# Altium PCB GVI_Z7_Carrier.PCBDOC
Units mil, origin at the board's own origin, x right, y up, seen from the top; angles counter-clockwise.
Board outline 4248.06 x 4203.77 mil, 2 copper layers (TopLayer, BottomLayer); 1 components, 403 nets, 646 pads, 0 vias.
Unrouted connection lines stored in the file: 220.
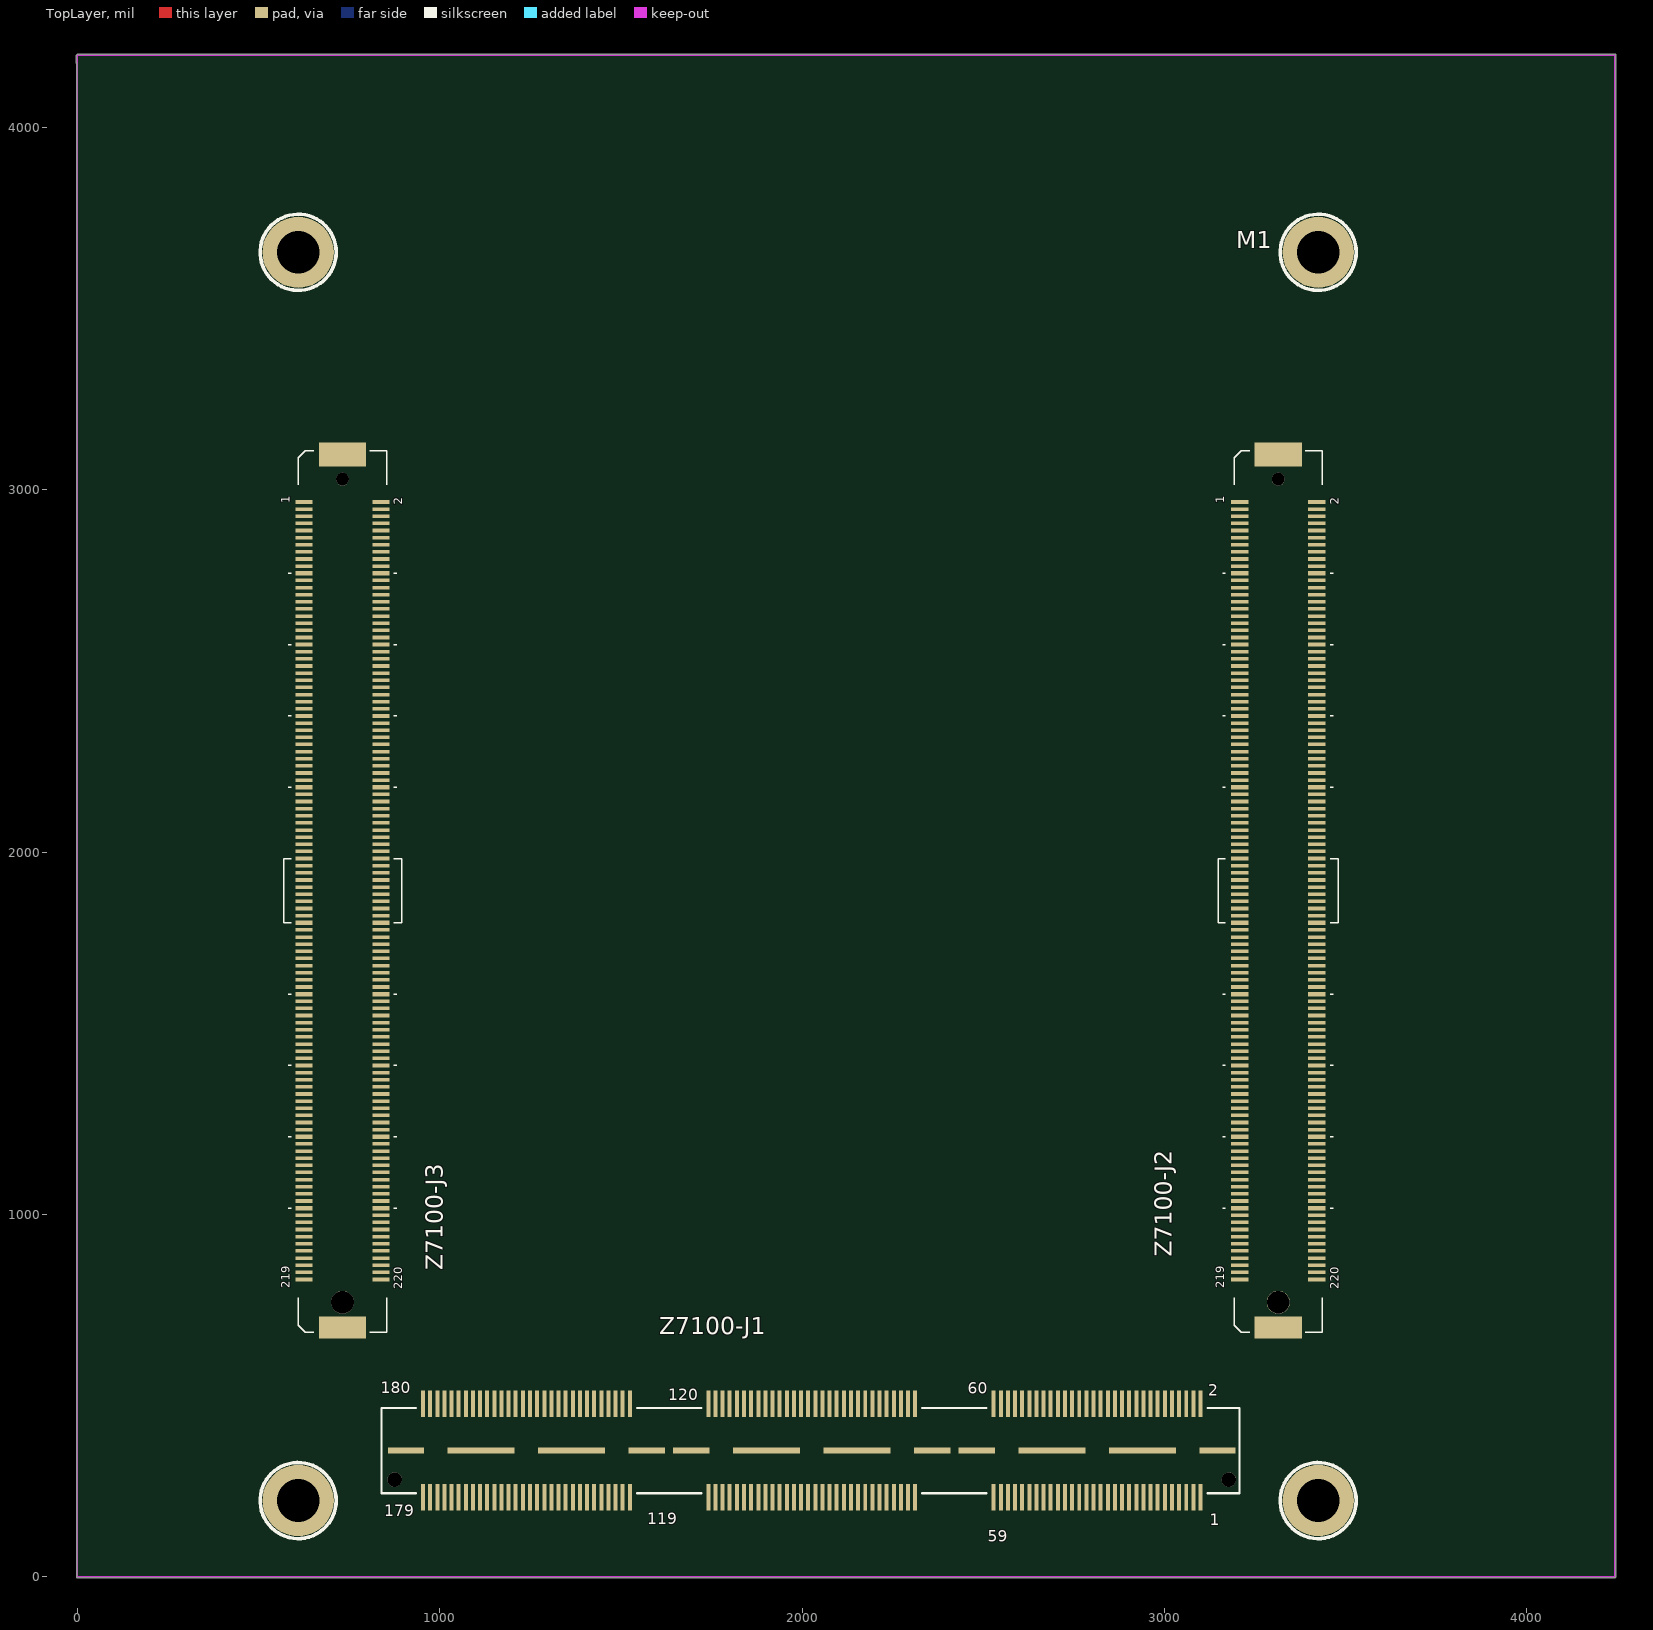
[diagram p0: TopLayer view]
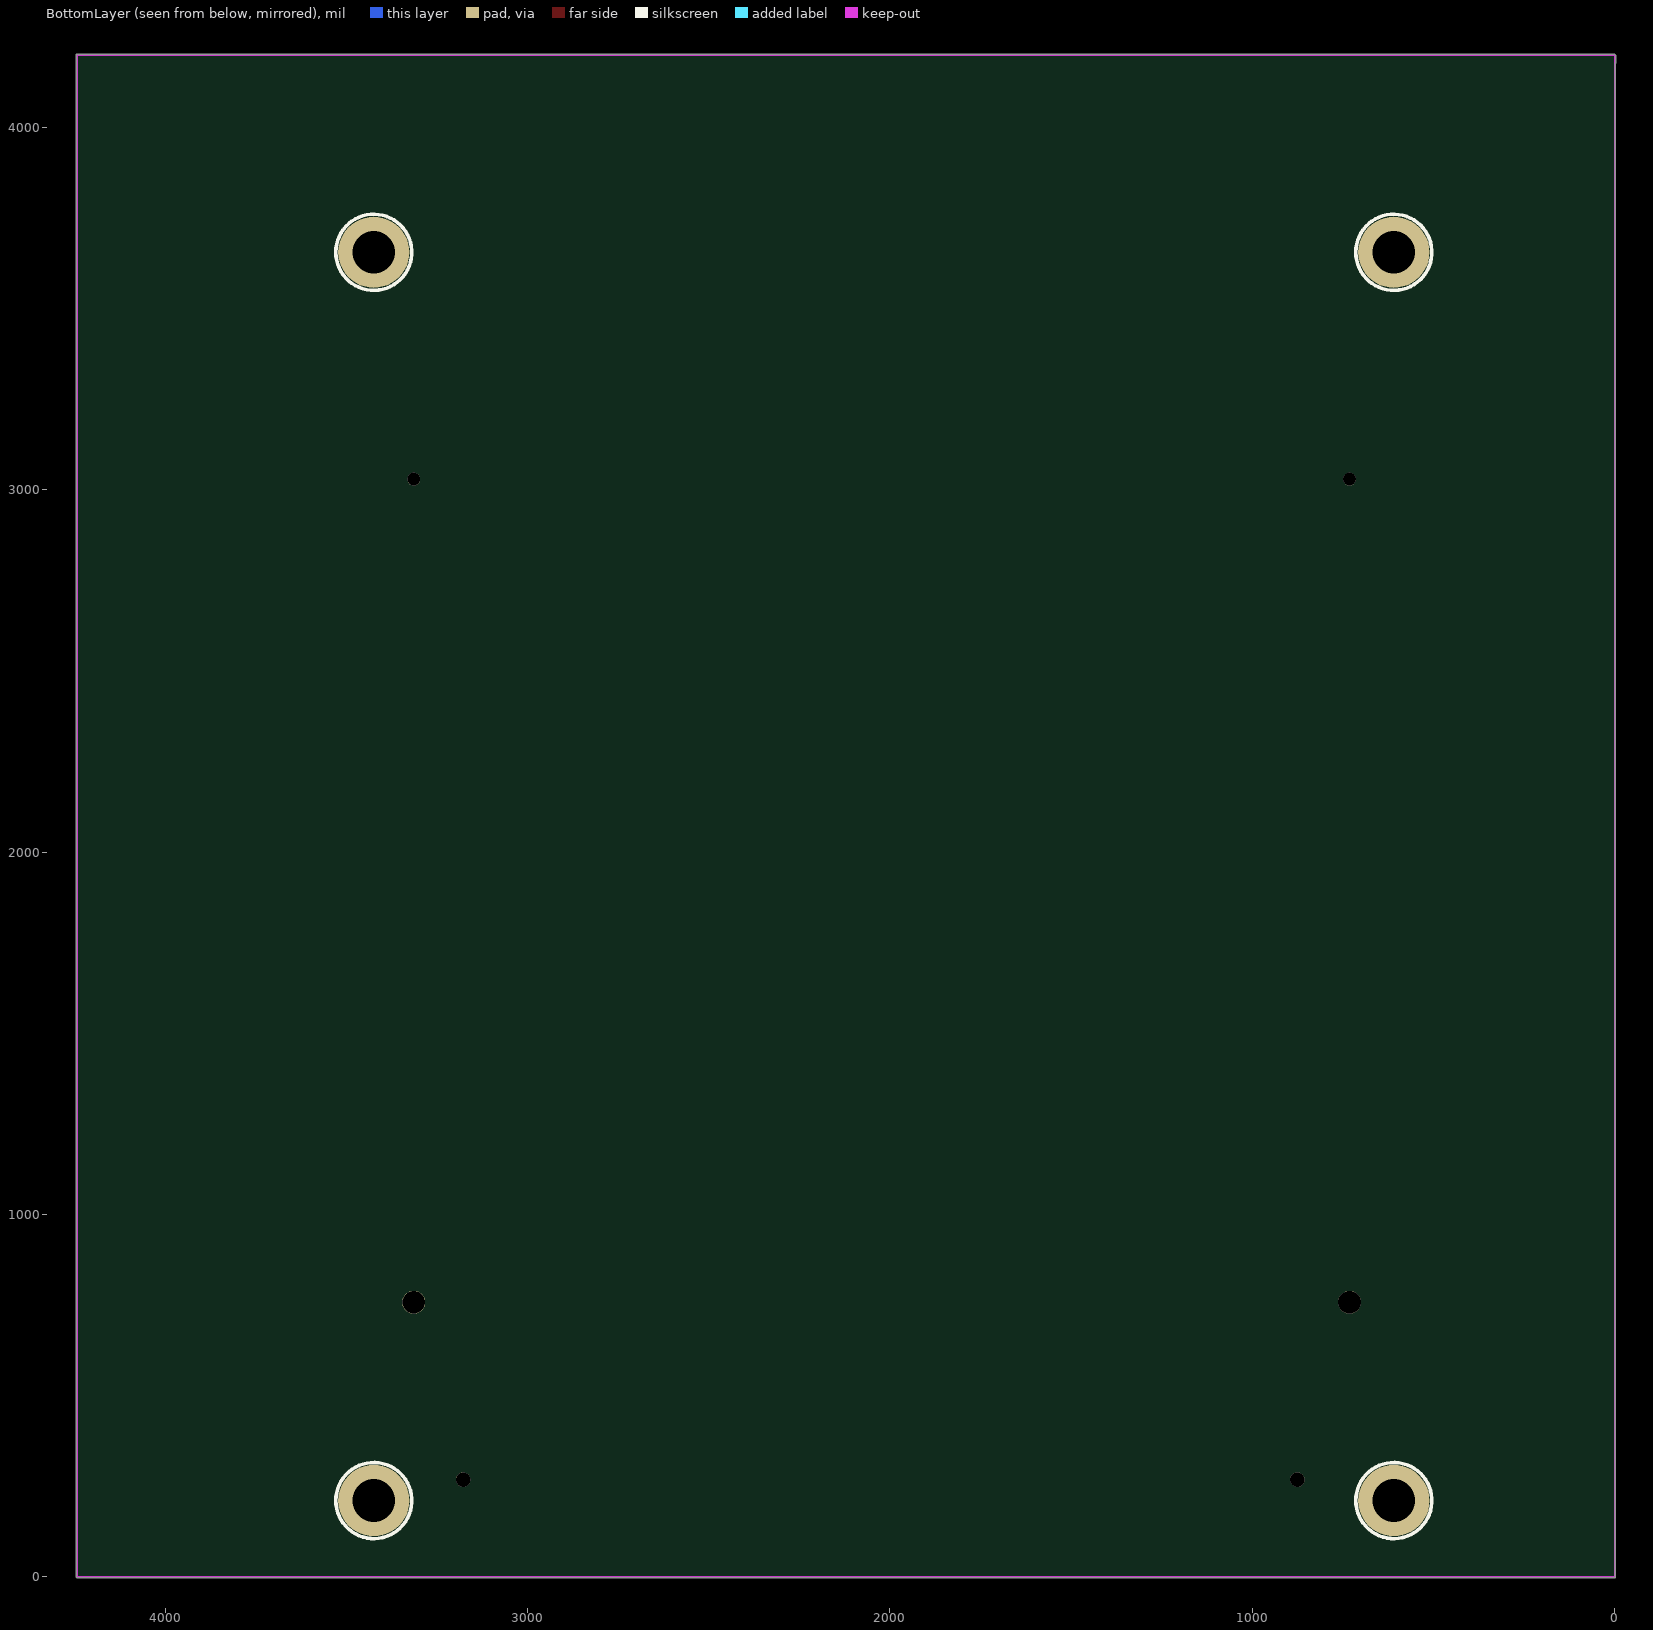
[diagram p1: BottomLayer view, seen from below]

## Layer stack, top to bottom
TopSolder: solder mask 0.4, Solder Resist, Dk 3.5
TopLayer: signal copper 0.7
Dielectric1: core 12.598, FR-4, Dk 4.8
BottomLayer: signal copper 0.7
BottomSolder: solder mask 0.4, Solder Resist, Dk 3.5

## Board outline
-2.38,4177.72 cw(c-0.98,4179.13) -2.97,4179.13 -2.97,4197.83 cw(c-0.98,4197.83) -2.38,4199.25 -2.39,4199.24 -0.42,4201.21 -0.43,4201.19 cw(c0.98,4199.8) 0.98,4201.79 4243.11,4201.79 cw(c4243.11,4199.8) 4245.09,4199.8 4245.09,0 cw(c4243.11,0) 4243.11,-1.98 0,-1.98 cw(c0,0) -1.98,0 -1.98,4177.33

## Design rules (kind name [scope] priority, off if disabled: settings)
Clearance [All] p1: gap=6.02
ComponentClearance [All] p1: gap=0 collisioncheckmode=3 verticalgap=0 showdistances=FALSE
DiffPairsRouting [All] p1: maxlimit=15 minlimit=6.02 mostfreqgap=7.87 toplayer_minwidth=6.02 toplayer_maxwidth=15 toplayer_prefwidth=7.87 bottomlayer_minwidth=6.02 bottomlayer_maxwidth=15 bottomlayer_prefwidth=7.87 maxuncoupledlength=500
FabricationTestPointUsage TestPointUsage [All] p1: valid=0 allowmultiple=FALSE
FabricationTestpoint Testpoint [(IsPad And (OnTopLayer Or OnBottomLayer))] p1: side=3 testpointundercomponent=TRUE minsize=40 maxsize=100 preferedsize=60 minholesize=20 maxholesize=40 preferedholesize=32 testpointgrid=1 allowsidetop=TRUE allowsidebottom=TRUE usegrid=TRUE gridtolerance=0.01
Height "PCI Express, Page 84, \"Component Height Constraints\" for solder side" [OnBottomLayer] p1: minheight=0 maxheight=105.12 prefheight=105.12
Height "PCI Express, Page 84, \"Component Height Constraints\" for component side" [OnTopLayer] p2: minheight=0 maxheight=569.68 prefheight=569.68
HoleSize [All] p1: absolutevalues=TRUE maxlimit=393.7 minlimit=11.81 maxpercent=80.000 minpercent=20.000
HoleToHoleClearance [All] p1: gap=11.81 allowstackedmicrovias=TRUE
MinimumSolderMaskSliver [All] p1: minsoldermaskwidth=0
PlaneClearance [All] p1: clearance=0
PlaneConnect [All] p1: planeconnectstyle=Direct reliefexpansion=20 reliefentries=4 reliefconductorwidth=10 reliefairgap=10
PolygonConnect [All] p1: connectstyle=Direct reliefconductorwidth=10 reliefentries=4 polygonreliefangle="90 Angle" airgapwidth=10
RoutingVias [All] p1: holewidth=11.81 width=23.62 viastyle="Through Hole" minholewidth=11.81 minwidth=23.62 maxholewidth=78.74 maxwidth=196.85
SilkToSilkClearance [All] p1: silktosilkclearance=0
SilkToSolderMaskClearance SilkscreenOverComponentPads [IsPad] p1: minsilkscreentomaskgap=0 clearancetoexposedcopper=TRUE
SolderMaskExpansion [All] p1: expansion=0
Width [All] p1: maxlimit=196.85 minlimit=6.02 preferedwidth=6.02 minimp=50.000000 maximp=50.000000 favimp=50.000000
18 further rules are at their usual default settings.

## Classes and differential pairs
differential pair MGT112_REFCLK1: +MGT112_REFCLK1_P -MGT112_REFCLK1_N

## Components (designator, comment, footprint, x,y, rotation, side; value= is the part's Value field where it differs from the comment)
M1 "CX7Z100" GVI_Z7_MINIMODULE_SOCKET 3699.8,210.63 r90 top locked

## Footprints (in the part's own frame and the unit in brackets; to place one, negate y for a bottom-side part, rotate by r counter-clockwise, add the part's x,y. Pads: shape width x height; smd on the part's side, far side on the other; paste and mask are expansions set on the pad)
GVI_Z7_MINIMODULE_SOCKET [mm]
  rect 1.85x0.279 smd: 1(0.22,15.25) 2(6.78,15.25) 3(0.22,15.75) 4(6.78,15.75) 5(0.22,16.25) 6(6.78,16.25) 7(0.22,16.75) 8(6.78,16.75) 9(0.22,17.25) 10(6.78,17.25) 11(0.22,17.75) 12(6.78,17.75) 13(0.22,18.25) 14(6.78,18.25) 15(0.22,18.75) 16(6.78,18.75) 17(0.22,19.25) 18(6.78,19.25) 19(0.22,19.75) 20(6.78,19.75) 21(0.22,20.25) 22(6.78,20.25) 23(0.22,20.75) 24(6.78,20.75) 25(0.22,21.25) 26(6.78,21.25) 27(0.22,21.75) 28(6.78,21.75) 29(0.22,22.25) 30(6.78,22.25) 31(0.22,22.75) 32(6.78,22.75) 33(0.22,23.25) 34(6.78,23.25) 35(0.22,23.75) 36(6.78,23.75) 37(0.22,24.25) 38(6.78,24.25) 39(0.22,24.75) 40(6.78,24.75) 41(0.22,25.25) 42(6.78,25.25) 43(0.22,25.75) 44(6.78,25.75) 45(0.22,26.25) 46(6.78,26.25) 47(0.22,26.75) 48(6.78,26.75) 49(0.22,27.25) 50(6.78,27.25) 51(0.22,27.75) 52(6.78,27.75) 53(0.22,28.25) 54(6.78,28.25) 55(0.22,28.75) 56(6.78,28.75) 57(0.22,29.25) 58(6.78,29.25) 59(0.22,29.75) 60(6.78,29.75) 61(0.22,35.25) 62(6.78,35.25) 63(0.22,35.75) 64(6.78,35.75) 65(0.22,36.25) 66(6.78,36.25) 67(0.22,36.75) 68(6.78,36.75) 69(0.22,37.25) 70(6.78,37.25) 71(0.22,37.75) 72(6.78,37.75) 73(0.22,38.25) 74(6.78,38.25) 75(0.22,38.75) 76(6.78,38.75) 77(0.22,39.25) 78(6.78,39.25) 79(0.22,39.75) 80(6.78,39.75) 81(0.22,40.25) 82(6.78,40.25) 83(0.22,40.75) 84(6.78,40.75) 85(0.22,41.25) 86(6.78,41.25) 87(0.22,41.75) 88(6.78,41.75) 89(0.22,42.25) 90(6.78,42.25) 91(0.22,42.75) 92(6.78,42.75) 93(0.22,43.25) 94(6.78,43.25) 95(0.22,43.75) 96(6.78,43.75) 97(0.22,44.25) 98(6.78,44.25) 99(0.22,44.75) 100(6.78,44.75) 101(0.22,45.25) 102(6.78,45.25) 103(0.22,45.75) 104(6.78,45.75) 105(0.22,46.25) 106(6.78,46.25) 107(0.22,46.75) 108(6.78,46.75) 109(0.22,47.25) 110(6.78,47.25) 111(0.22,47.75) 112(6.78,47.75) 113(0.22,48.25) 114(6.78,48.25) 115(0.22,48.75) 116(6.78,48.75) 117(0.22,49.25) 118(6.78,49.25) 119(0.22,49.75) 120(6.78,49.75) 121(0.22,55.25) 122(6.78,55.25) 123(0.22,55.75) 124(6.78,55.75) 125(0.22,56.25) 126(6.78,56.25) 127(0.22,56.75) 128(6.78,56.75) 129(0.22,57.25) 130(6.78,57.25) 131(0.22,57.75) 132(6.78,57.75) 133(0.22,58.25) 134(6.78,58.25) 135(0.22,58.75) 136(6.78,58.75) 137(0.22,59.25) 138(6.78,59.25) 139(0.22,59.75) 140(6.78,59.75) 141(0.22,60.25) 142(6.78,60.25) 143(0.22,60.75) 144(6.78,60.75) 145(0.22,61.25) 146(6.78,61.25) 147(0.22,61.75) 148(6.78,61.75) 149(0.22,62.25) 150(6.78,62.25) 151(0.22,62.75) 152(6.78,62.75) 153(0.22,63.25) 154(6.78,63.25) 155(0.22,63.75) 156(6.78,63.75) 157(0.22,64.25) 158(6.78,64.25) 159(0.22,64.75) 160(6.78,64.75) 161(0.22,65.25) 162(6.78,65.25) 163(0.22,65.75) 164(6.78,65.75) 165(0.22,66.25) 166(6.78,66.25) 167(0.22,66.75) 168(6.78,66.75) 169(0.22,67.25) 170(6.78,67.25) 171(0.22,67.75) 172(6.78,67.75) 173(0.22,68.25) 174(6.78,68.25) 175(0.22,68.75) 176(6.78,68.75) 177(0.22,69.25) 178(6.78,69.25) 179(0.22,69.75) 180(6.78,69.75)
  rect 0.3x1.2 smd: B1(70,12.5) B2(70,7.1) B21(65,12.5) B22(65,7.1) B41(60,12.5) B42(60,7.1) B61(55,12.5) B62(55,7.1) B81(50,12.5) B82(50,7.1) B101(45,12.5) B102(45,7.1) B119(40.5,12.5) B120(40.5,7.1) B139(35.5,12.5) B140(35.5,7.1) B159(30.5,12.5) B160(30.5,7.1) B179(25.5,12.5) B180(25.5,7.1) B199(20.5,12.5) B200(20.5,7.1) B219(15.5,12.5) B220(15.5,7.1) T1(70,78.1) T2(70,72.7) T21(65,78.1) T22(65,72.7) T41(60,78.1) T42(60,72.7) T61(55,78.1) T62(55,72.7) T81(50,78.1) T82(50,72.7) T101(45,78.1) T102(45,72.7) T119(40.5,78.1) T120(40.5,72.7) T139(35.5,78.1) T140(35.5,72.7) T159(30.5,78.1) T160(30.5,72.7) T179(25.5,78.1) T180(25.5,72.7) T199(20.5,78.1) T200(20.5,72.7) T219(15.5,78.1) T220(15.5,72.7)
  rect 0.25x1.2 smd: B3(69.5,12.5) B4(69.5,7.1) B5(69,12.5) B6(69,7.1) B7(68.5,12.5) B8(68.5,7.1) B9(68,12.5) B10(68,7.1) B11(67.5,12.5) B12(67.5,7.1) B13(67,12.5) B14(67,7.1) B15(66.5,12.5) B16(66.5,7.1) B17(66,12.5) B18(66,7.1) B19(65.5,12.5) B20(65.5,7.1) B23(64.5,12.5) B24(64.5,7.1) B25(64,12.5) B26(64,7.1) B27(63.5,12.5) B28(63.5,7.1) B29(63,12.5) B30(63,7.1) B31(62.5,12.5) B32(62.5,7.1) B33(62,12.5) B34(62,7.1) B35(61.5,12.5) B36(61.5,7.1) B37(61,12.5) B38(61,7.1) B39(60.5,12.5) B40(60.5,7.1) B43(59.5,12.5) B44(59.5,7.1) B45(59,12.5) B46(59,7.1) B47(58.5,12.5) B48(58.5,7.1) B49(58,12.5) B50(58,7.1) B51(57.5,12.5) B52(57.5,7.1) B53(57,12.5) B54(57,7.1) B55(56.5,12.5) B56(56.5,7.1) B57(56,12.5) B58(56,7.1) B59(55.5,12.5) B60(55.5,7.1) B63(54.5,12.5) B64(54.5,7.1) B65(54,12.5) B66(54,7.1) B67(53.5,12.5) B68(53.5,7.1) B69(53,12.5) B70(53,7.1) B71(52.5,12.5) B72(52.5,7.1) B73(52,12.5) B74(52,7.1) B75(51.5,12.5) B76(51.5,7.1) B77(51,12.5) B78(51,7.1) B79(50.5,12.5) B80(50.5,7.1) B83(49.5,12.5) B84(49.5,7.1) B85(49,12.5) B86(49,7.1) B87(48.5,12.5) B88(48.5,7.1) B89(48,12.5) B90(48,7.1) B91(47.5,12.5) B92(47.5,7.1) B93(47,12.5) B94(47,7.1) B95(46.5,12.5) B96(46.5,7.1) B97(46,12.5) B98(46,7.1) B99(45.5,12.5) B100(45.5,7.1) B103(44.5,12.5) B104(44.5,7.1) B105(44,12.5) B106(44,7.1) B107(43.5,12.5) B108(43.5,7.1) B109(43,12.5) B110(43,7.1) B111(42.5,12.5) B112(42.5,7.1) B113(42,12.5) B114(42,7.1) B115(41.5,12.5) B116(41.5,7.1) B117(41,12.5) B118(41,7.1) B121(40,12.5) B122(40,7.1) B123(39.5,12.5) B124(39.5,7.1) B125(39,12.5) B126(39,7.1) B127(38.5,12.5) B128(38.5,7.1) B129(38,12.5) B130(38,7.1) B131(37.5,12.5) B132(37.5,7.1) B133(37,12.5) B134(37,7.1) B135(36.5,12.5) B136(36.5,7.1) B137(36,12.5) B138(36,7.1) B141(35,12.5) B142(35,7.1) B143(34.5,12.5) B144(34.5,7.1) B145(34,12.5) B146(34,7.1) B147(33.5,12.5) B148(33.5,7.1) B149(33,12.5) B150(33,7.1) B151(32.5,12.5) B152(32.5,7.1) B153(32,12.5) B154(32,7.1) B155(31.5,12.5) B156(31.5,7.1) B157(31,12.5) B158(31,7.1) B161(30,12.5) B162(30,7.1) B163(29.5,12.5) B164(29.5,7.1) B165(29,12.5) B166(29,7.1) B167(28.5,12.5) B168(28.5,7.1) B169(28,12.5) B170(28,7.1) B171(27.5,12.5) B172(27.5,7.1) B173(27,12.5) B174(27,7.1) B175(26.5,12.5) B176(26.5,7.1) B177(26,12.5) B178(26,7.1) B181(25,12.5) B182(25,7.1) B183(24.5,12.5) B184(24.5,7.1) B185(24,12.5) B186(24,7.1) B187(23.5,12.5) B188(23.5,7.1) B189(23,12.5) B190(23,7.1) B191(22.5,12.5) B192(22.5,7.1) B193(22,12.5) B194(22,7.1) B195(21.5,12.5) B196(21.5,7.1) B197(21,12.5) B198(21,7.1) B201(20,12.5) B202(20,7.1) B203(19.5,12.5) B204(19.5,7.1) B205(19,12.5) B206(19,7.1) B207(18.5,12.5) B208(18.5,7.1) B209(18,12.5) B210(18,7.1) B211(17.5,12.5) B212(17.5,7.1) B213(17,12.5) B214(17,7.1) B215(16.5,12.5) B216(16.5,7.1) B217(16,12.5) B218(16,7.1) T3(69.5,78.1) T4(69.5,72.7) T5(69,78.1) T6(69,72.7) T7(68.5,78.1) T8(68.5,72.7) T9(68,78.1) T10(68,72.7) T11(67.5,78.1) T12(67.5,72.7) T13(67,78.1) T14(67,72.7) T15(66.5,78.1) T16(66.5,72.7) T17(66,78.1) T18(66,72.7) T19(65.5,78.1) T20(65.5,72.7) T23(64.5,78.1) T24(64.5,72.7) T25(64,78.1) T26(64,72.7) T27(63.5,78.1) T28(63.5,72.7) T29(63,78.1) T30(63,72.7) T31(62.5,78.1) T32(62.5,72.7) T33(62,78.1) T34(62,72.7) T35(61.5,78.1) T36(61.5,72.7) T37(61,78.1) T38(61,72.7) T39(60.5,78.1) T40(60.5,72.7) T43(59.5,78.1) T44(59.5,72.7) T45(59,78.1) T46(59,72.7) T47(58.5,78.1) T48(58.5,72.7) T49(58,78.1) T50(58,72.7) T51(57.5,78.1) T52(57.5,72.7) T53(57,78.1) T54(57,72.7) T55(56.5,78.1) T56(56.5,72.7) T57(56,78.1) T58(56,72.7) T59(55.5,78.1) T60(55.5,72.7) T63(54.5,78.1) T64(54.5,72.7) T65(54,78.1) T66(54,72.7) T67(53.5,78.1) T68(53.5,72.7) T69(53,78.1) T70(53,72.7) T71(52.5,78.1) T72(52.5,72.7) T73(52,78.1) T74(52,72.7) T75(51.5,78.1) T76(51.5,72.7) T77(51,78.1) T78(51,72.7) T79(50.5,78.1) T80(50.5,72.7) T83(49.5,78.1) T84(49.5,72.7) T85(49,78.1) T86(49,72.7) T87(48.5,78.1) T88(48.5,72.7) T89(48,78.1) T90(48,72.7) T91(47.5,78.1) T92(47.5,72.7) T93(47,78.1) T94(47,72.7) T95(46.5,78.1) T96(46.5,72.7) T97(46,78.1) T98(46,72.7) T99(45.5,78.1) T100(45.5,72.7) T103(44.5,78.1) T104(44.5,72.7) T105(44,78.1) T106(44,72.7) T107(43.5,78.1) T108(43.5,72.7) T109(43,78.1) T110(43,72.7) T111(42.5,78.1) T112(42.5,72.7) T113(42,78.1) T114(42,72.7) T115(41.5,78.1) T116(41.5,72.7) T117(41,78.1) T118(41,72.7) T121(40,78.1) T122(40,72.7) T123(39.5,78.1) T124(39.5,72.7) T125(39,78.1) T126(39,72.7) T127(38.5,78.1) T128(38.5,72.7) T129(38,78.1) T130(38,72.7) T131(37.5,78.1) T132(37.5,72.7) T133(37,78.1) T134(37,72.7) T135(36.5,78.1) T136(36.5,72.7) T137(36,78.1) T138(36,72.7) T141(35,78.1) T142(35,72.7) T143(34.5,78.1) T144(34.5,72.7) T145(34,78.1) T146(34,72.7) T147(33.5,78.1) T148(33.5,72.7) T149(33,78.1) T150(33,72.7) T151(32.5,78.1) T152(32.5,72.7) T153(32,78.1) T154(32,72.7) T155(31.5,78.1) T156(31.5,72.7) T157(31,78.1) T158(31,72.7) T161(30,78.1) T162(30,72.7) T163(29.5,78.1) T164(29.5,72.7) T165(29,78.1) T166(29,72.7) T167(28.5,78.1) T168(28.5,72.7) T169(28,78.1) T170(28,72.7) T171(27.5,78.1) T172(27.5,72.7) T173(27,78.1) T174(27,72.7) T175(26.5,78.1) T176(26.5,72.7) T177(26,78.1) T178(26,72.7) T181(25,78.1) T182(25,72.7) T183(24.5,78.1) T184(24.5,72.7) T185(24,78.1) T186(24,72.7) T187(23.5,78.1) T188(23.5,72.7) T189(23,78.1) T190(23,72.7) T191(22.5,78.1) T192(22.5,72.7) T193(22,78.1) T194(22,72.7) T195(21.5,78.1) T196(21.5,72.7) T197(21,78.1) T198(21,72.7) T201(20,78.1) T202(20,72.7) T203(19.5,78.1) T204(19.5,72.7) T205(19,78.1) T206(19,72.7) T207(18.5,78.1) T208(18.5,72.7) T209(18,78.1) T210(18,72.7) T211(17.5,78.1) T212(17.5,72.7) T213(17,78.1) T214(17,72.7) T215(16.5,78.1) T216(16.5,72.7) T217(16,78.1) T218(16,72.7)
  rect 1.65x3.3 smd: BMP1(73.325,9.8) TMP1(73.325,75.4)
  rect 1.55x3.3 smd: BMP2(12.125,9.8) TMP2(12.125,75.4)
  round 0.9 hole 0.9: BR1(71.6,9.8) TR1(71.6,75.4)
  round 1.6 hole 1.6: BR2(13.9,9.8) TR2(13.9,75.4)
  round 1.02 hole 1.02: M1(1.47,13.261) M2(1.47,71.739)
  round 5 hole 3: MH1(0,78.5) MH2(87.5,78.5) MH3(0,7) MH4(87.5,7)
  rect 0.43x2.54 smd: s1(3.5,14.06) s4(3.5,30.94) s5(3.5,34.06) s8(3.5,50.94) s9(3.5,54.06) s12(3.5,70.94)
  rect 0.43x4.7 smd: s2(3.5,19.325) s3(3.5,25.675) s6(3.5,39.328) s7(3.5,45.678) s10(3.5,59.331) s11(3.5,65.681)
  silkscreen extent -2.67,4.33 90.17,81.16, body extent -0.06,6.7 73.6,78.5, height 4.45

## Nets (pads, with @x,y where several pads share a name; then routed paths per layer and width w, separated by ;. In a path a pad name is that pad's centre, name@x,y a point inside that pad or via, vN(x,y) a via of type N, cw(c..) or ccw(c..) an arc to the next point about the centre after c; other vN are vias at no path point)
1.0V: M1.121 M1.123 M1.125 M1.127 M1.129 M1.131 M1.133 M1.135 M1.137 M1.139 M1.141 M1.143 M1.145 M1.147
1.0V_MGT: M1.122 M1.124 M1.126 M1.128 M1.130 M1.132 M1.134 M1.136
1.2V_MGT: M1.138 M1.140 M1.142 M1.144 M1.146 M1.148
1.5V_1.35V: M1.149 M1.151 M1.153 M1.155 M1.157 M1.159
1.8V: M1.150 M1.152 M1.154 M1.156 M1.158 M1.160
2.0V: M1.161 M1.163 M1.165 M1.167 M1.169
2.5V: M1.162 M1.164 M1.166 M1.168 M1.170
3.3V: M1.172 M1.174 M1.176 M1.178 M1.180
AES_BATT: M1.B114
B9_L6_N: M1.B10
B9_L6_P: M1.B8
B9_L19_N: M1.B13
B9_L19_P: M1.B11
B9_MRCC_L12_N: M1.B9
B9_MRCC_L12_P: M1.B7
B9_MRCC_L13_N: M1.B6
B9_MRCC_L13_P: M1.B4
B9_SRCC_L11_N: M1.B5
B9_SRCC_L11_P: M1.B3
B9_SRCC_L14_N: M1.B14
B9_SRCC_L14_P: M1.B12
B10_IO0: M1.B149
B10_IO25: M1.B150
B10_L1_N: M1.B177
B10_L1_P: M1.B175
B10_L2_N: M1.B168
B10_L2_P: M1.B166
B10_L3_N: M1.B183
B10_L3_P: M1.B181
B10_L4_N: M1.B157
B10_L4_P: M1.B155
B10_L5_N: M1.B167
B10_L5_P: M1.B165
B10_L6_N: M1.B153
B10_L6_P: M1.B151
B10_L7_N: M1.B194
B10_L7_P: M1.B192
B10_L8_N: M1.B173
B10_L8_P: M1.B171
B10_L9_N: M1.B163
B10_L9_P: M1.B161
B10_L10_N: M1.B187
B10_L10_P: M1.B185
B10_L15_N: M1.B154
B10_L15_P: M1.B152
B10_L16_N: M1.B164
B10_L16_P: M1.B162
B10_L17_N: M1.B158
B10_L17_P: M1.B156
B10_L18_N: M1.B204
B10_L18_P: M1.B202
B10_L19_N: M1.B208
B10_L19_P: M1.B206
B10_L20_N: M1.B198
B10_L20_P: M1.B196
B10_L21_N: M1.B193
B10_L21_P: M1.B191
B10_L22_N: M1.B207
B10_L22_P: M1.B205
B10_L23_N: M1.B197
B10_L23_P: M1.B195
B10_L24_N: M1.B203
B10_L24_P: M1.B201
B10_MRCC_L12_N: M1.B184
B10_MRCC_L12_P: M1.B182
B10_MRCC_L13_N: M1.B174
B10_MRCC_L13_P: M1.B172
B10_SRCC_L11_N: M1.B188
B10_SRCC_L11_P: M1.B186
B10_SRCC_L14_N: M1.B178
B10_SRCC_L14_P: M1.B176
B11_IO0: M1.B76
B11_IO25: M1.B75
B11_L1_N: M1.B99
B11_L1_P: M1.B97
B11_L2_N: M1.B118
B11_L2_P: M1.B116
B11_L3_N: M1.B117
B11_L3_P: M1.B115
B11_L4_N: M1.B124
B11_L4_P: M1.B122
B11_L5_N: M1.B128
B11_L5_P: M1.B126
B11_L6_N: M1.B133
B11_L6_P: M1.B131
B11_L7_N: M1.B100
B11_L7_P: M1.B98
B11_L8_N: M1.B95
B11_L8_P: M1.B93
B11_L9_N: M1.B89
B11_L9_P: M1.B87
B11_L10_N: M1.B147
B11_L10_P: M1.B145
B11_L14_N: M1.B85
B11_L14_P: M1.B83
B11_L15_N: M1.B123
B11_L15_P: M1.B121
B11_L16_N: M1.B137
B11_L16_P: M1.B135
B11_L17_N: M1.B127
B11_L17_P: M1.B125
B11_L18_N: M1.B143
B11_L18_P: M1.B141
B11_L19_N: M1.B90
B11_L19_P: M1.B88
B11_L20_N: M1.B144
B11_L20_P: M1.B142
B11_L21_N: M1.B148
B11_L21_P: M1.B146
B11_L22_N: M1.B96
B11_L22_P: M1.B94
B11_L23_N: M1.B138
B11_L23_P: M1.B136
B11_L24_N: M1.B134
B11_L24_P: M1.B132
B11_MRCC_L12_N: M1.B80
B11_MRCC_L12_P: M1.B78
B11_MRCC_L13_N: M1.B86
B11_MRCC_L13_P: M1.B84
B11_SRCC_L11_N: M1.B79
B11_SRCC_L11_P: M1.B77
B12_IO0: M1.B16
B12_IO25: M1.B15
B12_L1_N: M1.B26
B12_L1_P: M1.B24
B12_L2_N: M1.B30
B12_L2_P: M1.B28
B12_L3_N: M1.B56
B12_L3_P: M1.B54
B12_L4_N: M1.B20
B12_L4_P: M1.B18
B12_L5_N: M1.B50
B12_L5_P: M1.B48
B12_L6_N: M1.B46
B12_L6_P: M1.B44
B12_L7_N: M1.B40
B12_L7_P: M1.B38
B12_L8_N: M1.B25
B12_L8_P: M1.B23
B12_L9_N: M1.B19
B12_L9_P: M1.B17
B12_L10_N: M1.B36
B12_L10_P: M1.B34
B12_L15_N: M1.B39
B12_L15_P: M1.B37
B12_L16_N: M1.B35
B12_L16_P: M1.B33
B12_L17_N: M1.B73
B12_L17_P: M1.B71
B12_L18_N: M1.B29
B12_L18_P: M1.B27
B12_L19_N: M1.B55
B12_L19_P: M1.B53
B12_L20_N: M1.B45
B12_L20_P: M1.B43
B12_L21_N: M1.B49
B12_L21_P: M1.B47
B12_L22_N: M1.B59
B12_L22_P: M1.B57
B12_L23_N: M1.B69
B12_L23_P: M1.B67
B12_L24_N: M1.B65
B12_L24_P: M1.B63
B12_MRCC_L12_N: M1.B60
B12_MRCC_L12_P: M1.B58
B12_MRCC_L13_N: M1.B66
B12_MRCC_L13_P: M1.B64
B12_SRCC_L11_N: M1.B74
B12_SRCC_L11_P: M1.B72
B12_SRCC_L14_N: M1.B70
B12_SRCC_L14_P: M1.B68
B13_IO0: M1.T76
B13_IO25: M1.T75
B13_L1_N: M1.T90
B13_L1_P: M1.T88
B13_L2_N: M1.T89
B13_L2_P: M1.T87
B13_L3_N: M1.T143
B13_L3_P: M1.T141
B13_L4_N: M1.T100
B13_L4_P: M1.T98
B13_L5_N: M1.T95
B13_L5_P: M1.T93
B13_L6_N: M1.T99
B13_L6_P: M1.T97
B13_L7_N: M1.T86
B13_L7_P: M1.T84
B13_L8_N: M1.T96
B13_L8_P: M1.T94
B13_L9_N: M1.T137
B13_L9_P: M1.T135
B13_L10_N: M1.T85
B13_L10_P: M1.T83
B13_L15_N: M1.T147
B13_L15_P: M1.T145
B13_L16_N: M1.T134
B13_L16_P: M1.T132
B13_L17_N: M1.T148
B13_L17_P: M1.T146
B13_L18_N: M1.T128
B13_L18_P: M1.T126
B13_L19_N: M1.T118
B13_L19_P: M1.T116
B13_L20_N: M1.T138
B13_L20_P: M1.T136
B13_L21_N: M1.T124
B13_L21_P: M1.T122
B13_L22_N: M1.T144
B13_L22_P: M1.T142
B13_L23_N: M1.T80
B13_L23_P: M1.T78
B13_L24_N: M1.T79
B13_L24_P: M1.T77
B13_MRCC_L12_N: M1.T127
B13_MRCC_L12_P: M1.T125
B13_MRCC_L13_N: M1.T117
B13_MRCC_L13_P: M1.T115
B13_SRCC_L11_N: M1.T123
B13_SRCC_L11_P: M1.T121
B13_SRCC_L14_N: M1.T133
B13_SRCC_L14_P: M1.T131
B34_L1_N: M1.T214
B34_L1_P: M1.T212
B34_L2_N: M1.T218
B34_L2_P: M1.T216
B34_L3_N: M1.T217
B34_L3_P: M1.T215
B34_L4_N: M1.T213
B34_L4_P: M1.T211
B34_L5_N: M1.B218
B34_L5_P: M1.B216
B34_L22_N: M1.B217
B34_L22_P: M1.B215
B34_L23_N: M1.B214
B34_L23_P: M1.B212
B34_L24_N: M1.B213
B34_L24_P: M1.B211
B35_L1_N: M1.T174
B35_L1_P: M1.T172
B35_L2_N: M1.T184
B35_L2_P: M1.T182
B35_L3_N: M1.T168
B35_L3_P: M1.T166
B35_L4_N: M1.T178
B35_L4_P: M1.T176
B35_L5_N: M1.T207
B35_L5_P: M1.T205
B35_L6_N: M1.T193
B35_L6_P: M1.T191
B35_L7_N: M1.T187
B35_L7_P: M1.T185
B35_L8_N: M1.T197
B35_L8_P: M1.T195
B35_L9_N: M1.T173
B35_L9_P: M1.T171
B35_L10_N: M1.T183
B35_L10_P: M1.T181
B35_L11_N: M1.T177
B35_L11_P: M1.T175
B35_L12_N: M1.T203
B35_L12_P: M1.T201
B35_L15_N: M1.T158
B35_L15_P: M1.T156
B35_L16_N: M1.T154
B35_L16_P: M1.T152
B35_L17_N: M1.T163
B35_L17_P: M1.T161
B35_L18_N: M1.T157
B35_L18_P: M1.T155
B35_L19_N: M1.T198
B35_L19_P: M1.T196
B35_L20_N: M1.T204
B35_L20_P: M1.T202
B35_L21_N: M1.T153
B35_L21_P: M1.T151
B35_L22_N: M1.T164
B35_L22_P: M1.T162
B35_L23_N: M1.T188
B35_L23_P: M1.T186
B35_L24_N: M1.T194
B35_L24_P: M1.T192
B35_MRCC_L13_N: M1.T167
B35_MRCC_L13_P: M1.T165
B35_SRCC_L14_N: M1.T208
B35_SRCC_L14_P: M1.T206
DONE_0: M1.T48
ETH_MD1_N: M1.T23
ETH_MD1_P: M1.T25
ETH_MD2_N: M1.T15
ETH_MD2_P: M1.T17
ETH_MD3_N: M1.T9
ETH_MD3_P: M1.T11
ETH_MD4_N: M1.T3
ETH_MD4_P: M1.T5
ETH_RJ45_LED0: M1.T29
ETH_RJ45_LED1: M1.T31
"EXT_PS MRST_N": M1.T53
"EXT_PS POR_N": M1.T49
"EXT_PS SRST_N": M1.T51
GND: M1.1 M1.2 M1.7 M1.8 M1.13 M1.14 M1.19 M1.20 M1.25 M1.26 M1.31 M1.32 M1.37 M1.38 M1.43 M1.44 M1.49 M1.50 M1.55 M1.56 M1.61 M1.62 M1.67 M1.68 M1.73 M1.74 M1.79 M1.80 M1.85 M1.86 M1.91 M1.92 M1.97 M1.98 M1.103 M1.104 M1.109 M1.110 M1.115 M1.116 M1.B1 M1.B2 M1.B21 M1.B22 M1.B31 M1.B32 M1.B41 M1.B42 M1.B51 M1.B52 M1.B61 M1.B62 M1.B81 M1.B82 M1.B91 M1.B92 M1.B101 M1.B102 M1.B103 M1.B104 M1.B105 M1.B106 M1.B107 M1.B108 M1.B109 M1.B110 M1.B111 M1.B112 M1.B113 M1.B119 M1.B120 M1.B129 M1.B130 M1.B139 M1.B140 M1.B159 M1.B160 M1.B169 M1.B170 M1.B179 M1.B180 M1.B189 M1.B190 M1.B199 M1.B200 M1.B209 M1.B210 M1.B219 M1.B220 M1.BMP1 M1.BMP2 M1.M1 M1.M2 M1.MH1 M1.MH2 M1.MH3 M1.MH4 M1.s1 M1.s2 M1.s3 M1.s4 M1.s5 M1.s6 M1.s7 M1.s8 M1.s9 M1.s10 M1.s11 M1.s12 M1.T1 M1.T2 M1.T7 M1.T13 M1.T19 M1.T21 M1.T22 M1.T27 M1.T33 M1.T35 M1.T37 M1.T39 M1.T41 M1.T43 M1.T45 M1.T55 M1.T57 M1.T59 M1.T61 M1.T63 M1.T65 M1.T67 M1.T69 M1.T71 M1.T73 M1.T81 M1.T101 M1.T102 M1.T103 M1.T104 M1.T105 M1.T106 M1.T107 M1.T108 M1.T109 M1.T110 M1.T111 M1.T112 M1.T113 M1.T114 M1.T119 M1.T120 M1.T129 M1.T130 M1.T139 M1.T140 M1.T149 M1.T150 M1.T159 M1.T170 M1.T179 M1.T180 M1.T189 M1.T190 M1.T199 M1.T200 M1.T209 M1.T210 M1.T220 M1.TMP1 M1.TMP2
I2C_RTC_INTA_B: M1.T8
JTAG_TCK: M1.T52
JTAG_TDI: M1.T54
JTAG_TDO: M1.T56
JTAG_TMS: M1.T58
MGT109_REFCLK0_N: M1.30
MGT109_REFCLK0_P: M1.28
MGT109_REFCLK1_N: M1.29
MGT109_REFCLK1_P: M1.27
MGT109_RX0_N: M1.5
MGT109_RX0_P: M1.3
MGT109_RX1_N: M1.11
MGT109_RX1_P: M1.9
MGT109_RX2_N: M1.17
MGT109_RX2_P: M1.15
MGT109_RX3_N: M1.23
MGT109_RX3_P: M1.21
MGT109_TX0_N: M1.6
MGT109_TX0_P: M1.4
MGT109_TX1_N: M1.12
MGT109_TX1_P: M1.10
MGT109_TX2_N: M1.18
MGT109_TX2_P: M1.16
MGT109_TX3_N: M1.24
MGT109_TX3_P: M1.22
MGT110_REFCLK1_N: M1.60
MGT110_REFCLK1_P: M1.58
MGT110_RX0_N: M1.33
MGT110_RX0_P: M1.35
MGT110_RX1_N: M1.39
MGT110_RX1_P: M1.41
MGT110_RX2_N: M1.45
MGT110_RX2_P: M1.47
MGT110_RX3_N: M1.51
MGT110_RX3_P: M1.53
MGT110_TX0_N: M1.36
MGT110_TX0_P: M1.34
MGT110_TX1_N: M1.42
MGT110_TX1_P: M1.40
MGT110_TX2_N: M1.48
MGT110_TX2_P: M1.46
MGT110_TX3_N: M1.54
MGT110_TX3_P: M1.52
MGT111_REFCLK0_N: M1.88
MGT111_REFCLK0_P: M1.90
MGT111_REFCLK1_N: M1.87
MGT111_REFCLK1_P: M1.89
MGT111_RX0_N: M1.63
MGT111_RX0_P: M1.65
MGT111_RX1_N: M1.69
MGT111_RX1_P: M1.71
MGT111_RX2_N: M1.75
MGT111_RX2_P: M1.77
MGT111_RX3_N: M1.81
MGT111_RX3_P: M1.83
MGT111_TX0_N: M1.64
MGT111_TX0_P: M1.66
MGT111_TX1_N: M1.70
MGT111_TX1_P: M1.72
MGT111_TX2_N: M1.76
MGT111_TX2_P: M1.78
MGT111_TX3_N: M1.82
MGT111_TX3_P: M1.84
MGT112_REFCLK1_N: M1.119
MGT112_REFCLK1_P: M1.117
MGT112_RX0_N: M1.95
MGT112_RX0_P: M1.93
MGT112_RX1_N: M1.101
MGT112_RX1_P: M1.99
MGT112_RX2_N: M1.107
MGT112_RX2_P: M1.105
MGT112_RX3_N: M1.113
MGT112_RX3_P: M1.111
MGT112_TX0_N: M1.96
MGT112_TX0_P: M1.94
MGT112_TX1_N: M1.102
MGT112_TX1_P: M1.100
MGT112_TX2_N: M1.108
MGT112_TX2_P: M1.106
MGT112_TX3_N: M1.114
MGT112_TX3_P: M1.112
PROGRAM_B_0: M1.T50
PS500_MIO7: M1.T4
PS500_MIO8: M1.T6
PS501_MIO28: M1.T46
PS501_MIO29: M1.T24
PS501_MIO30: M1.T26
PS501_MIO31: M1.T40
PS501_MIO32: M1.T44
PS501_MIO33: M1.T38
PS501_MIO34: M1.T10
PS501_MIO35: M1.T12
PS501_MIO36: M1.T14
PS501_MIO37: M1.T16
PS501_MIO38: M1.T18
PS501_MIO39: M1.T20
PS501_MIO46: M1.T28
PS501_MIO48: M1.T34
PS501_MIO49: M1.T36
PS501_MIO50: M1.T32
PS501_MIO51: M1.T30
PS_SRST#: M1.T47
VADJ: M1.171 M1.173 M1.175 M1.177 M1.179
pads on no net: M1.57 M1.59 M1.118 M1.120 M1.BR1 M1.BR2 M1.T42 M1.T60 M1.T62 M1.T64 M1.T66 M1.T68 M1.T70 M1.T72 M1.T74 M1.T82 M1.T91 M1.T92 M1.T160 M1.T169 M1.T219 M1.TR1 M1.TR2

## Keep-outs
TopSolder:
  rectangle: -400.59,-442.91 -85.63,-307.09
BottomSolder:
  rectangle: -400.59,-442.91 -85.63,-307.09
KeepOutLayer:
  lines w3.94: -0.98,4179.13 -0.98,4197.83 0.98,4199.8 4243.11,4199.8 4243.11,0 0,0 0,4178.15 -0.98,4179.13

## Silkscreen, mask and mechanical layers (free items; w line width, h text height)
Mechanical7:
  lines w3.94: 2077.76,-118.11 7786.42,-118.11 ; 3686.02,3755.91 7786.42,3755.91 ; -1713.58,-442.91 -1123.03,-442.91 -1123.03,-118.11 -400.59,-118.11 -400.59,-307.09 -85.63,-307.09 -85.63,-189.96 cw(c-13.78,-189.96) 58.07,-189.96 58.07,-78.74 -1713.58,-78.74 -1713.58,-442.91

## Dimensions
-1713.58,3755.91 to 7786.42,3755.91 on PCI-SIG Dimensions

## Text inside footprints (layer, text, board x,y; h text height)
M1: TopOverlay "1" at 585.63,2962.6 h23.62 r90; TopOverlay "2" at 896.65,2958.66 h23.62 r90; TopOverlay "219" at 585.63,797.24 h23.62 r90; TopOverlay "220" at 896.65,793.31 h23.62 r90; TopOverlay "119" at 1572.83,144.69 h31.5; TopOverlay "1" at 3125,142.72 h31.5; TopOverlay "2" at 3121.06,500 h31.5; TopOverlay "179" at 847.44,167.32 h31.5; TopOverlay "180" at 837.6,506.89 h31.5; TopOverlay "120" at 1629.92,487.2 h31.5; TopOverlay "60" at 2457.68,505.91 h31.5; TopOverlay "59" at 2512.8,97.44 h31.5; TopOverlay "219" at 3164.37,797.24 h23.62 r90; TopOverlay "1" at 3164.37,2962.6 h23.62 r90; TopOverlay "220" at 3481.3,793.31 h23.62 r90; TopOverlay "2" at 3481.3,2958.66 h23.62 r90; TopOverlay "Z7100-J1" at 1605.31,669.29 h47.24; TopOverlay "Z7100-J2" at 3019.69,883.86 h47.24 r90; TopOverlay "Z7100-J3" at 1008.86,846.46 h47.24 r90; Mechanical15 "QTH_J1" at 794.29,291.34 h39.37 r90